# KiCad board oibus-mini-CCC_PANEL.kicad_pcb (continued)
## Placement (name value [footprint] x y rotation side) (continued)
R18#13  4.7k  [R_0603_1608Metric]  54.4 96.41 180 top
R18#14  4.7k  [R_0603_1608Metric]  165.4 96.41 180 top
R18#15  4.7k  [R_0603_1608Metric]  276.4 96.41 180 top
R18#16  4.7k  [R_0603_1608Metric]  239.4 96.41 180 top
R18#17  4.7k  [R_0603_1608Metric]  17.4 162.41 180 top
R18#18  4.7k  [R_0603_1608Metric]  202.4 162.41 180 top
R18#19  4.7k  [R_0603_1608Metric]  91.4 162.41 180 top
R18#20  4.7k  [R_0603_1608Metric]  128.4 162.41 180 top
R18#21  4.7k  [R_0603_1608Metric]  54.4 162.41 180 top
R18#22  4.7k  [R_0603_1608Metric]  165.4 162.41 180 top
R18#23  4.7k  [R_0603_1608Metric]  276.4 162.41 180 top
R18#24  4.7k  [R_0603_1608Metric]  17.4 228.41 180 top
R18#25  4.7k  [R_0603_1608Metric]  239.4 162.41 180 top
R18#26  4.7k  [R_0603_1608Metric]  202.4 228.41 180 top
R18#27  4.7k  [R_0603_1608Metric]  91.4 228.41 180 top
R18#28  4.7k  [R_0603_1608Metric]  128.4 228.41 180 top
R18#29  4.7k  [R_0603_1608Metric]  54.4 228.41 180 top
R18#30  4.7k  [R_0603_1608Metric]  165.4 228.41 180 top
R18#31  4.7k  [R_0603_1608Metric]  276.4 228.41 180 top
R18#32  4.7k  [R_0603_1608Metric]  239.4 228.41 180 top
R19  60R  [R_0603_1608Metric]  32 21.01 270 top
R19#2  60R  [R_0603_1608Metric]  69 21.01 270 top
R19#3  60R  [R_0603_1608Metric]  106 21.01 270 top
R19#4  60R  [R_0603_1608Metric]  143 21.01 270 top
R19#5  60R  [R_0603_1608Metric]  180 21.01 270 top
R19#6  60R  [R_0603_1608Metric]  217 21.01 270 top
R19#7  60R  [R_0603_1608Metric]  291 21.01 270 top
R19#8  60R  [R_0603_1608Metric]  254 21.01 270 top
R19#9  60R  [R_0603_1608Metric]  32 87.01 270 top
R19#10  60R  [R_0603_1608Metric]  217 87.01 270 top
R19#11  60R  [R_0603_1608Metric]  106 87.01 270 top
R19#12  60R  [R_0603_1608Metric]  143 87.01 270 top
R19#13  60R  [R_0603_1608Metric]  69 87.01 270 top
R19#14  60R  [R_0603_1608Metric]  180 87.01 270 top
R19#15  60R  [R_0603_1608Metric]  291 87.01 270 top
R19#16  60R  [R_0603_1608Metric]  254 87.01 270 top
R19#17  60R  [R_0603_1608Metric]  32 153.01 270 top
R19#18  60R  [R_0603_1608Metric]  217 153.01 270 top
R19#19  60R  [R_0603_1608Metric]  106 153.01 270 top
R19#20  60R  [R_0603_1608Metric]  143 153.01 270 top
R19#21  60R  [R_0603_1608Metric]  69 153.01 270 top
R19#22  60R  [R_0603_1608Metric]  180 153.01 270 top
R19#23  60R  [R_0603_1608Metric]  291 153.01 270 top
R19#24  60R  [R_0603_1608Metric]  32 219.01 270 top
R19#25  60R  [R_0603_1608Metric]  254 153.01 270 top
R19#26  60R  [R_0603_1608Metric]  217 219.01 270 top
R19#27  60R  [R_0603_1608Metric]  106 219.01 270 top
R19#28  60R  [R_0603_1608Metric]  143 219.01 270 top
R19#29  60R  [R_0603_1608Metric]  69 219.01 270 top
R19#30  60R  [R_0603_1608Metric]  180 219.01 270 top
R19#31  60R  [R_0603_1608Metric]  291 219.01 270 top
R19#32  60R  [R_0603_1608Metric]  254 219.01 270 top
R20  60R  [R_0603_1608Metric]  30 21.01 90 top
R20#2  60R  [R_0603_1608Metric]  67 21.01 90 top
R20#3  60R  [R_0603_1608Metric]  104 21.01 90 top
R20#4  60R  [R_0603_1608Metric]  141 21.01 90 top
R20#5  60R  [R_0603_1608Metric]  178 21.01 90 top
R20#6  60R  [R_0603_1608Metric]  215 21.01 90 top
R20#7  60R  [R_0603_1608Metric]  289 21.01 90 top
R20#8  60R  [R_0603_1608Metric]  252 21.01 90 top
R20#9  60R  [R_0603_1608Metric]  30 87.01 90 top
R20#10  60R  [R_0603_1608Metric]  215 87.01 90 top
R20#11  60R  [R_0603_1608Metric]  104 87.01 90 top
R20#12  60R  [R_0603_1608Metric]  141 87.01 90 top
R20#13  60R  [R_0603_1608Metric]  67 87.01 90 top
R20#14  60R  [R_0603_1608Metric]  178 87.01 90 top
R20#15  60R  [R_0603_1608Metric]  289 87.01 90 top
R20#16  60R  [R_0603_1608Metric]  252 87.01 90 top
R20#17  60R  [R_0603_1608Metric]  30 153.01 90 top
R20#18  60R  [R_0603_1608Metric]  215 153.01 90 top
R20#19  60R  [R_0603_1608Metric]  104 153.01 90 top
R20#20  60R  [R_0603_1608Metric]  141 153.01 90 top
R20#21  60R  [R_0603_1608Metric]  67 153.01 90 top
R20#22  60R  [R_0603_1608Metric]  178 153.01 90 top
R20#23  60R  [R_0603_1608Metric]  289 153.01 90 top
R20#24  60R  [R_0603_1608Metric]  30 219.01 90 top
R20#25  60R  [R_0603_1608Metric]  252 153.01 90 top
R20#26  60R  [R_0603_1608Metric]  215 219.01 90 top
R20#27  60R  [R_0603_1608Metric]  104 219.01 90 top
R20#28  60R  [R_0603_1608Metric]  141 219.01 90 top
R20#29  60R  [R_0603_1608Metric]  67 219.01 90 top
R20#30  60R  [R_0603_1608Metric]  178 219.01 90 top
R20#31  60R  [R_0603_1608Metric]  289 219.01 90 top
R20#32  60R  [R_0603_1608Metric]  252 219.01 90 top
R21  DNP  [R_0603_1608Metric]  32 7.51 270 top
R21#2  DNP  [R_0603_1608Metric]  69 7.51 270 top
R21#3  DNP  [R_0603_1608Metric]  106 7.51 270 top
R21#4  DNP  [R_0603_1608Metric]  143 7.51 270 top
R21#5  DNP  [R_0603_1608Metric]  180 7.51 270 top
R21#6  DNP  [R_0603_1608Metric]  217 7.51 270 top
R21#7  DNP  [R_0603_1608Metric]  291 7.51 270 top
R21#8  DNP  [R_0603_1608Metric]  254 7.51 270 top
R21#9  DNP  [R_0603_1608Metric]  32 73.51 270 top
R21#10  DNP  [R_0603_1608Metric]  217 73.51 270 top
R21#11  DNP  [R_0603_1608Metric]  106 73.51 270 top
R21#12  DNP  [R_0603_1608Metric]  143 73.51 270 top
R21#13  DNP  [R_0603_1608Metric]  69 73.51 270 top
R21#14  DNP  [R_0603_1608Metric]  180 73.51 270 top
R21#15  DNP  [R_0603_1608Metric]  291 73.51 270 top
R21#16  DNP  [R_0603_1608Metric]  254 73.51 270 top
R21#17  DNP  [R_0603_1608Metric]  32 139.51 270 top
R21#18  DNP  [R_0603_1608Metric]  217 139.51 270 top
R21#19  DNP  [R_0603_1608Metric]  106 139.51 270 top
R21#20  DNP  [R_0603_1608Metric]  143 139.51 270 top
R21#21  DNP  [R_0603_1608Metric]  69 139.51 270 top
R21#22  DNP  [R_0603_1608Metric]  180 139.51 270 top
R21#23  DNP  [R_0603_1608Metric]  32 205.51 270 top
R21#24  DNP  [R_0603_1608Metric]  291 139.51 270 top
R21#25  DNP  [R_0603_1608Metric]  254 139.51 270 top
R21#26  DNP  [R_0603_1608Metric]  217 205.51 270 top
R21#27  DNP  [R_0603_1608Metric]  106 205.51 270 top
R21#28  DNP  [R_0603_1608Metric]  143 205.51 270 top
R21#29  DNP  [R_0603_1608Metric]  69 205.51 270 top
R21#30  DNP  [R_0603_1608Metric]  180 205.51 270 top
R21#31  DNP  [R_0603_1608Metric]  291 205.51 270 top
R21#32  DNP  [R_0603_1608Metric]  254 205.51 270 top
R22  0R  [R_0603_1608Metric]  16.3 50.91 0 top
R22#2  0R  [R_0603_1608Metric]  53.3 50.91 0 top
R22#3  0R  [R_0603_1608Metric]  90.3 50.91 0 top
R22#4  0R  [R_0603_1608Metric]  127.3 50.91 0 top
R22#5  0R  [R_0603_1608Metric]  164.3 50.91 0 top
R22#6  0R  [R_0603_1608Metric]  201.3 50.91 0 top
R22#7  0R  [R_0603_1608Metric]  275.3 50.91 0 top
R22#8  0R  [R_0603_1608Metric]  238.3 50.91 0 top
R22#9  0R  [R_0603_1608Metric]  16.3 116.91 0 top
R22#10  0R  [R_0603_1608Metric]  201.3 116.91 0 top
R22#11  0R  [R_0603_1608Metric]  90.3 116.91 0 top
R22#12  0R  [R_0603_1608Metric]  127.3 116.91 0 top
R22#13  0R  [R_0603_1608Metric]  53.3 116.91 0 top
R22#14  0R  [R_0603_1608Metric]  164.3 116.91 0 top
R22#15  0R  [R_0603_1608Metric]  275.3 116.91 0 top
R22#16  0R  [R_0603_1608Metric]  238.3 116.91 0 top
R22#17  0R  [R_0603_1608Metric]  16.3 182.91 0 top
R22#18  0R  [R_0603_1608Metric]  201.3 182.91 0 top
R22#19  0R  [R_0603_1608Metric]  90.3 182.91 0 top
R22#20  0R  [R_0603_1608Metric]  127.3 182.91 0 top
R22#21  0R  [R_0603_1608Metric]  53.3 182.91 0 top
R22#22  0R  [R_0603_1608Metric]  164.3 182.91 0 top
R22#23  0R  [R_0603_1608Metric]  16.3 248.91 0 top
R22#24  0R  [R_0603_1608Metric]  275.3 182.91 0 top
R22#25  0R  [R_0603_1608Metric]  238.3 182.91 0 top
R22#26  0R  [R_0603_1608Metric]  201.3 248.91 0 top
R22#27  0R  [R_0603_1608Metric]  90.3 248.91 0 top
R22#28  0R  [R_0603_1608Metric]  127.3 248.91 0 top
R22#29  0R  [R_0603_1608Metric]  53.3 248.91 0 top
R22#30  0R  [R_0603_1608Metric]  164.3 248.91 0 top
R22#31  0R  [R_0603_1608Metric]  275.3 248.91 0 top
R22#32  0R  [R_0603_1608Metric]  238.3 248.91 0 top
R23  DNP  [R_0603_1608Metric]  16.3 49.31 180 top
R23#2  DNP  [R_0603_1608Metric]  53.3 49.31 180 top
R23#3  DNP  [R_0603_1608Metric]  90.3 49.31 180 top
R23#4  DNP  [R_0603_1608Metric]  127.3 49.31 180 top
R23#5  DNP  [R_0603_1608Metric]  164.3 49.31 180 top
R23#6  DNP  [R_0603_1608Metric]  201.3 49.31 180 top
R23#7  DNP  [R_0603_1608Metric]  275.3 49.31 180 top
R23#8  DNP  [R_0603_1608Metric]  238.3 49.31 180 top
R23#9  DNP  [R_0603_1608Metric]  16.3 115.31 180 top
R23#10  DNP  [R_0603_1608Metric]  201.3 115.31 180 top
R23#11  DNP  [R_0603_1608Metric]  90.3 115.31 180 top
R23#12  DNP  [R_0603_1608Metric]  127.3 115.31 180 top
R23#13  DNP  [R_0603_1608Metric]  53.3 115.31 180 top
R23#14  DNP  [R_0603_1608Metric]  164.3 115.31 180 top
R23#15  DNP  [R_0603_1608Metric]  275.3 115.31 180 top
R23#16  DNP  [R_0603_1608Metric]  238.3 115.31 180 top
R23#17  DNP  [R_0603_1608Metric]  16.3 181.31 180 top
R23#18  DNP  [R_0603_1608Metric]  201.3 181.31 180 top
R23#19  DNP  [R_0603_1608Metric]  90.3 181.31 180 top
R23#20  DNP  [R_0603_1608Metric]  127.3 181.31 180 top
R23#21  DNP  [R_0603_1608Metric]  53.3 181.31 180 top
R23#22  DNP  [R_0603_1608Metric]  164.3 181.31 180 top
R23#23  DNP  [R_0603_1608Metric]  16.3 247.31 180 top
R23#24  DNP  [R_0603_1608Metric]  275.3 181.31 180 top
R23#25  DNP  [R_0603_1608Metric]  238.3 181.31 180 top
R23#26  DNP  [R_0603_1608Metric]  201.3 247.31 180 top
R23#27  DNP  [R_0603_1608Metric]  90.3 247.31 180 top
R23#28  DNP  [R_0603_1608Metric]  127.3 247.31 180 top
R23#29  DNP  [R_0603_1608Metric]  53.3 247.31 180 top
R23#30  DNP  [R_0603_1608Metric]  164.3 247.31 180 top
R23#31  DNP  [R_0603_1608Metric]  275.3 247.31 180 top
R23#32  DNP  [R_0603_1608Metric]  238.3 247.31 180 top
R24  DNP  [R_0603_1608Metric]  10.4 58.11 270 bottom
R24#2  DNP  [R_0603_1608Metric]  47.4 58.11 270 bottom
R24#3  DNP  [R_0603_1608Metric]  84.4 58.11 270 bottom
R24#4  DNP  [R_0603_1608Metric]  121.4 58.11 270 bottom
R24#5  DNP  [R_0603_1608Metric]  158.4 58.11 270 bottom
R24#6  DNP  [R_0603_1608Metric]  195.4 58.11 270 bottom
R24#7  DNP  [R_0603_1608Metric]  269.4 58.11 270 bottom
R24#8  DNP  [R_0603_1608Metric]  232.4 58.11 270 bottom
R24#9  DNP  [R_0603_1608Metric]  10.4 124.11 270 bottom
R24#10  DNP  [R_0603_1608Metric]  195.4 124.11 270 bottom
R24#11  DNP  [R_0603_1608Metric]  84.4 124.11 270 bottom
R24#12  DNP  [R_0603_1608Metric]  121.4 124.11 270 bottom
R24#13  DNP  [R_0603_1608Metric]  47.4 124.11 270 bottom
R24#14  DNP  [R_0603_1608Metric]  158.4 124.11 270 bottom
R24#15  DNP  [R_0603_1608Metric]  269.4 124.11 270 bottom
R24#16  DNP  [R_0603_1608Metric]  232.4 124.11 270 bottom
R24#17  DNP  [R_0603_1608Metric]  10.4 190.11 270 bottom
R24#18  DNP  [R_0603_1608Metric]  195.4 190.11 270 bottom
R24#19  DNP  [R_0603_1608Metric]  84.4 190.11 270 bottom
R24#20  DNP  [R_0603_1608Metric]  121.4 190.11 270 bottom
R24#21  DNP  [R_0603_1608Metric]  47.4 190.11 270 bottom
R24#22  DNP  [R_0603_1608Metric]  158.4 190.11 270 bottom
R24#23  DNP  [R_0603_1608Metric]  10.4 256.11 270 bottom
R24#24  DNP  [R_0603_1608Metric]  269.4 190.11 270 bottom
R24#25  DNP  [R_0603_1608Metric]  232.4 190.11 270 bottom
R24#26  DNP  [R_0603_1608Metric]  195.4 256.11 270 bottom
R24#27  DNP  [R_0603_1608Metric]  84.4 256.11 270 bottom
R24#28  DNP  [R_0603_1608Metric]  121.4 256.11 270 bottom
R24#29  DNP  [R_0603_1608Metric]  47.4 256.11 270 bottom
R24#30  DNP  [R_0603_1608Metric]  158.4 256.11 270 bottom
R24#31  DNP  [R_0603_1608Metric]  269.4 256.11 270 bottom
R24#32  DNP  [R_0603_1608Metric]  232.4 256.11 270 bottom
R25  DNP  [R_0603_1608Metric]  12 58.11 270 bottom
R25#2  DNP  [R_0603_1608Metric]  49 58.11 270 bottom
R25#3  DNP  [R_0603_1608Metric]  86 58.11 270 bottom
R25#4  DNP  [R_0603_1608Metric]  123 58.11 270 bottom
R25#5  DNP  [R_0603_1608Metric]  160 58.11 270 bottom
R25#6  DNP  [R_0603_1608Metric]  197 58.11 270 bottom
R25#7  DNP  [R_0603_1608Metric]  271 58.11 270 bottom
R25#8  DNP  [R_0603_1608Metric]  234 58.11 270 bottom
R25#9  DNP  [R_0603_1608Metric]  12 124.11 270 bottom
R25#10  DNP  [R_0603_1608Metric]  197 124.11 270 bottom
R25#11  DNP  [R_0603_1608Metric]  86 124.11 270 bottom
R25#12  DNP  [R_0603_1608Metric]  123 124.11 270 bottom
R25#13  DNP  [R_0603_1608Metric]  49 124.11 270 bottom
R25#14  DNP  [R_0603_1608Metric]  160 124.11 270 bottom
R25#15  DNP  [R_0603_1608Metric]  271 124.11 270 bottom
R25#16  DNP  [R_0603_1608Metric]  234 124.11 270 bottom
R25#17  DNP  [R_0603_1608Metric]  12 190.11 270 bottom
R25#18  DNP  [R_0603_1608Metric]  197 190.11 270 bottom
R25#19  DNP  [R_0603_1608Metric]  86 190.11 270 bottom
R25#20  DNP  [R_0603_1608Metric]  123 190.11 270 bottom
R25#21  DNP  [R_0603_1608Metric]  49 190.11 270 bottom
R25#22  DNP  [R_0603_1608Metric]  160 190.11 270 bottom
R25#23  DNP  [R_0603_1608Metric]  12 256.11 270 bottom
R25#24  DNP  [R_0603_1608Metric]  271 190.11 270 bottom
R25#25  DNP  [R_0603_1608Metric]  234 190.11 270 bottom
R25#26  DNP  [R_0603_1608Metric]  197 256.11 270 bottom
R25#27  DNP  [R_0603_1608Metric]  86 256.11 270 bottom
R25#28  DNP  [R_0603_1608Metric]  123 256.11 270 bottom
R25#29  DNP  [R_0603_1608Metric]  49 256.11 270 bottom
R25#30  DNP  [R_0603_1608Metric]  160 256.11 270 bottom
R25#31  DNP  [R_0603_1608Metric]  271 256.11 270 bottom
R25#32  DNP  [R_0603_1608Metric]  234 256.11 270 bottom
REF**  -  [OSHW-Logo2_7.3x6mm_SilkScreen]  11.7 27.31 0 top
REF**#2  -  [OSHW-Logo2_7.3x6mm_SilkScreen]  48.7 27.31 0 top
REF**#3  -  [OSHW-Logo2_7.3x6mm_SilkScreen]  85.7 27.31 0 top
REF**#4  -  [OSHW-Logo2_7.3x6mm_SilkScreen]  122.7 27.31 0 top
REF**#5  -  [OSHW-Logo2_7.3x6mm_SilkScreen]  159.7 27.31 0 top
REF**#6  -  [OSHW-Logo2_7.3x6mm_SilkScreen]  196.7 27.31 0 top
REF**#7  -  [OSHW-Logo2_7.3x6mm_SilkScreen]  270.7 27.31 0 top
REF**#8  -  [OSHW-Logo2_7.3x6mm_SilkScreen]  233.7 27.31 0 top
REF**#9  -  [OSHW-Logo2_7.3x6mm_SilkScreen]  11.7 93.31 0 top
REF**#10  -  [OSHW-Logo2_7.3x6mm_SilkScreen]  196.7 93.31 0 top
REF**#11  -  [OSHW-Logo2_7.3x6mm_SilkScreen]  85.7 93.31 0 top
REF**#12  -  [OSHW-Logo2_7.3x6mm_SilkScreen]  122.7 93.31 0 top
REF**#13  -  [OSHW-Logo2_7.3x6mm_SilkScreen]  48.7 93.31 0 top
REF**#14  -  [OSHW-Logo2_7.3x6mm_SilkScreen]  159.7 93.31 0 top
REF**#15  -  [OSHW-Logo2_7.3x6mm_SilkScreen]  270.7 93.31 0 top
REF**#16  -  [OSHW-Logo2_7.3x6mm_SilkScreen]  233.7 93.31 0 top
REF**#17  -  [OSHW-Logo2_7.3x6mm_SilkScreen]  11.7 159.31 0 top
REF**#18  -  [OSHW-Logo2_7.3x6mm_SilkScreen]  196.7 159.31 0 top
REF**#19  -  [OSHW-Logo2_7.3x6mm_SilkScreen]  85.7 159.31 0 top
REF**#20  -  [OSHW-Logo2_7.3x6mm_SilkScreen]  122.7 159.31 0 top
REF**#21  -  [OSHW-Logo2_7.3x6mm_SilkScreen]  48.7 159.31 0 top
REF**#22  -  [OSHW-Logo2_7.3x6mm_SilkScreen]  159.7 159.31 0 top
REF**#23  -  [OSHW-Logo2_7.3x6mm_SilkScreen]  270.7 159.31 0 top
REF**#24  -  [OSHW-Logo2_7.3x6mm_SilkScreen]  11.7 225.31 0 top
REF**#25  -  [OSHW-Logo2_7.3x6mm_SilkScreen]  233.7 159.31 0 top
REF**#26  -  [OSHW-Logo2_7.3x6mm_SilkScreen]  196.7 225.31 0 top
REF**#27  -  [OSHW-Logo2_7.3x6mm_SilkScreen]  85.7 225.31 0 top
REF**#28  -  [OSHW-Logo2_7.3x6mm_SilkScreen]  122.7 225.31 0 top
REF**#29  -  [OSHW-Logo2_7.3x6mm_SilkScreen]  48.7 225.31 0 top
REF**#30  -  [OSHW-Logo2_7.3x6mm_SilkScreen]  159.7 225.31 0 top
REF**#31  -  [OSHW-Logo2_7.3x6mm_SilkScreen]  270.7 225.31 0 top
REF**#32  -  [OSHW-Logo2_7.3x6mm_SilkScreen]  233.7 225.31 0 top
SW1  SW_Push  [SW_SPST_B3U-1000P]  10.2 20.81 270 top
SW1#2  SW_Push  [SW_SPST_B3U-1000P]  47.2 20.81 270 top
SW1#3  SW_Push  [SW_SPST_B3U-1000P]  84.2 20.81 270 top
SW1#4  SW_Push  [SW_SPST_B3U-1000P]  121.2 20.81 270 top
SW1#5  SW_Push  [SW_SPST_B3U-1000P]  158.2 20.81 270 top
SW1#6  SW_Push  [SW_SPST_B3U-1000P]  195.2 20.81 270 top
SW1#7  SW_Push  [SW_SPST_B3U-1000P]  269.2 20.81 270 top
SW1#8  SW_Push  [SW_SPST_B3U-1000P]  232.2 20.81 270 top
SW1#9  SW_Push  [SW_SPST_B3U-1000P]  10.2 86.81 270 top
SW1#10  SW_Push  [SW_SPST_B3U-1000P]  195.2 86.81 270 top
SW1#11  SW_Push  [SW_SPST_B3U-1000P]  84.2 86.81 270 top
SW1#12  SW_Push  [SW_SPST_B3U-1000P]  121.2 86.81 270 top
SW1#13  SW_Push  [SW_SPST_B3U-1000P]  47.2 86.81 270 top
SW1#14  SW_Push  [SW_SPST_B3U-1000P]  158.2 86.81 270 top
SW1#15  SW_Push  [SW_SPST_B3U-1000P]  269.2 86.81 270 top
SW1#16  SW_Push  [SW_SPST_B3U-1000P]  232.2 86.81 270 top
SW1#17  SW_Push  [SW_SPST_B3U-1000P]  10.2 152.81 270 top
SW1#18  SW_Push  [SW_SPST_B3U-1000P]  195.2 152.81 270 top
SW1#19  SW_Push  [SW_SPST_B3U-1000P]  84.2 152.81 270 top
SW1#20  SW_Push  [SW_SPST_B3U-1000P]  121.2 152.81 270 top
SW1#21  SW_Push  [SW_SPST_B3U-1000P]  47.2 152.81 270 top
SW1#22  SW_Push  [SW_SPST_B3U-1000P]  158.2 152.81 270 top
SW1#23  SW_Push  [SW_SPST_B3U-1000P]  10.2 218.81 270 top
SW1#24  SW_Push  [SW_SPST_B3U-1000P]  269.2 152.81 270 top
SW1#25  SW_Push  [SW_SPST_B3U-1000P]  232.2 152.81 270 top
SW1#26  SW_Push  [SW_SPST_B3U-1000P]  195.2 218.81 270 top
SW1#27  SW_Push  [SW_SPST_B3U-1000P]  84.2 218.81 270 top
SW1#28  SW_Push  [SW_SPST_B3U-1000P]  121.2 218.81 270 top
SW1#29  SW_Push  [SW_SPST_B3U-1000P]  47.2 218.81 270 top
SW1#30  SW_Push  [SW_SPST_B3U-1000P]  158.2 218.81 270 top
SW1#31  SW_Push  [SW_SPST_B3U-1000P]  269.2 218.81 270 top
SW1#32  SW_Push  [SW_SPST_B3U-1000P]  232.2 218.81 270 top
SW2  SW_Push  [SW_SPST_EVQP7C]  1.8 30.01 270 top
SW2#2  SW_Push  [SW_SPST_EVQP7C]  38.8 30.01 270 top
SW2#3  SW_Push  [SW_SPST_EVQP7C]  75.8 30.01 270 top
SW2#4  SW_Push  [SW_SPST_EVQP7C]  112.8 30.01 270 top
SW2#5  SW_Push  [SW_SPST_EVQP7C]  149.8 30.01 270 top
SW2#6  SW_Push  [SW_SPST_EVQP7C]  186.8 30.01 270 top
SW2#7  SW_Push  [SW_SPST_EVQP7C]  260.8 30.01 270 top
SW2#8  SW_Push  [SW_SPST_EVQP7C]  223.8 30.01 270 top
SW2#9  SW_Push  [SW_SPST_EVQP7C]  1.8 96.01 270 top
SW2#10  SW_Push  [SW_SPST_EVQP7C]  186.8 96.01 270 top
SW2#11  SW_Push  [SW_SPST_EVQP7C]  75.8 96.01 270 top
SW2#12  SW_Push  [SW_SPST_EVQP7C]  112.8 96.01 270 top
SW2#13  SW_Push  [SW_SPST_EVQP7C]  38.8 96.01 270 top
SW2#14  SW_Push  [SW_SPST_EVQP7C]  149.8 96.01 270 top
SW2#15  SW_Push  [SW_SPST_EVQP7C]  260.8 96.01 270 top
SW2#16  SW_Push  [SW_SPST_EVQP7C]  223.8 96.01 270 top
SW2#17  SW_Push  [SW_SPST_EVQP7C]  1.8 162.01 270 top
SW2#18  SW_Push  [SW_SPST_EVQP7C]  186.8 162.01 270 top
SW2#19  SW_Push  [SW_SPST_EVQP7C]  75.8 162.01 270 top
SW2#20  SW_Push  [SW_SPST_EVQP7C]  112.8 162.01 270 top
SW2#21  SW_Push  [SW_SPST_EVQP7C]  38.8 162.01 270 top
SW2#22  SW_Push  [SW_SPST_EVQP7C]  149.8 162.01 270 top
SW2#23  SW_Push  [SW_SPST_EVQP7C]  260.8 162.01 270 top
SW2#24  SW_Push  [SW_SPST_EVQP7C]  223.8 162.01 270 top
SW2#25  SW_Push  [SW_SPST_EVQP7C]  1.8 228.01 270 top
SW2#26  SW_Push  [SW_SPST_EVQP7C]  186.8 228.01 270 top
SW2#27  SW_Push  [SW_SPST_EVQP7C]  75.8 228.01 270 top
SW2#28  SW_Push  [SW_SPST_EVQP7C]  112.8 228.01 270 top
SW2#29  SW_Push  [SW_SPST_EVQP7C]  38.8 228.01 270 top
SW2#30  SW_Push  [SW_SPST_EVQP7C]  149.8 228.01 270 top
SW2#31  SW_Push  [SW_SPST_EVQP7C]  260.8 228.01 270 top
SW2#32  SW_Push  [SW_SPST_EVQP7C]  223.8 228.01 270 top
U1  AP2112K-3.3  [SOT-23-5]  26.83 19.18 90 top
U1#2  AP2112K-3.3  [SOT-23-5]  63.83 19.18 90 top
U1#3  AP2112K-3.3  [SOT-23-5]  100.83 19.18 90 top
U1#4  AP2112K-3.3  [SOT-23-5]  137.83 19.18 90 top
U1#5  AP2112K-3.3  [SOT-23-5]  174.83 19.18 90 top
U1#6  AP2112K-3.3  [SOT-23-5]  211.83 19.18 90 top
U1#7  AP2112K-3.3  [SOT-23-5]  285.83 19.18 90 top
U1#8  AP2112K-3.3  [SOT-23-5]  248.83 19.18 90 top
U1#9  AP2112K-3.3  [SOT-23-5]  26.83 85.18 90 top
U1#10  AP2112K-3.3  [SOT-23-5]  211.83 85.18 90 top
U1#11  AP2112K-3.3  [SOT-23-5]  100.83 85.18 90 top
U1#12  AP2112K-3.3  [SOT-23-5]  137.83 85.18 90 top
U1#13  AP2112K-3.3  [SOT-23-5]  63.83 85.18 90 top
U1#14  AP2112K-3.3  [SOT-23-5]  174.83 85.18 90 top
U1#15  AP2112K-3.3  [SOT-23-5]  285.83 85.18 90 top
U1#16  AP2112K-3.3  [SOT-23-5]  248.83 85.18 90 top
U1#17  AP2112K-3.3  [SOT-23-5]  26.83 151.18 90 top
U1#18  AP2112K-3.3  [SOT-23-5]  211.83 151.18 90 top
U1#19  AP2112K-3.3  [SOT-23-5]  100.83 151.18 90 top
U1#20  AP2112K-3.3  [SOT-23-5]  137.83 151.18 90 top
U1#21  AP2112K-3.3  [SOT-23-5]  63.83 151.18 90 top
U1#22  AP2112K-3.3  [SOT-23-5]  174.83 151.18 90 top
U1#23  AP2112K-3.3  [SOT-23-5]  285.83 151.18 90 top
U1#24  AP2112K-3.3  [SOT-23-5]  26.83 217.18 90 top
U1#25  AP2112K-3.3  [SOT-23-5]  248.83 151.18 90 top
U1#26  AP2112K-3.3  [SOT-23-5]  211.83 217.18 90 top
U1#27  AP2112K-3.3  [SOT-23-5]  100.83 217.18 90 top
U1#28  AP2112K-3.3  [SOT-23-5]  137.83 217.18 90 top
U1#29  AP2112K-3.3  [SOT-23-5]  63.83 217.18 90 top
U1#30  AP2112K-3.3  [SOT-23-5]  174.83 217.18 90 top
U1#31  AP2112K-3.3  [SOT-23-5]  285.83 217.18 90 top
U1#32  AP2112K-3.3  [SOT-23-5]  248.83 217.18 90 top
U2  SAM-M8Q  [XCVR_SAM-M8Q]  7.8 40.71 270 top
U2#2  SAM-M8Q  [XCVR_SAM-M8Q]  44.8 40.71 270 top
U2#3  SAM-M8Q  [XCVR_SAM-M8Q]  81.8 40.71 270 top
U2#4  SAM-M8Q  [XCVR_SAM-M8Q]  118.8 40.71 270 top
U2#5  SAM-M8Q  [XCVR_SAM-M8Q]  192.8 40.71 270 top
U2#6  SAM-M8Q  [XCVR_SAM-M8Q]  155.8 40.71 270 top
U2#7  SAM-M8Q  [XCVR_SAM-M8Q]  229.8 40.71 270 top
U2#8  SAM-M8Q  [XCVR_SAM-M8Q]  266.8 40.71 270 top
U2#9  SAM-M8Q  [XCVR_SAM-M8Q]  7.8 106.71 270 top
U2#10  SAM-M8Q  [XCVR_SAM-M8Q]  155.8 106.71 270 top
U2#11  SAM-M8Q  [XCVR_SAM-M8Q]  118.8 106.71 270 top
U2#12  SAM-M8Q  [XCVR_SAM-M8Q]  44.8 106.71 270 top
U2#13  SAM-M8Q  [XCVR_SAM-M8Q]  81.8 106.71 270 top
U2#14  SAM-M8Q  [XCVR_SAM-M8Q]  192.8 106.71 270 top
U2#15  SAM-M8Q  [XCVR_SAM-M8Q]  229.8 106.71 270 top
U2#16  SAM-M8Q  [XCVR_SAM-M8Q]  266.8 106.71 270 top
U2#17  SAM-M8Q  [XCVR_SAM-M8Q]  7.8 172.71 270 top
U2#18  SAM-M8Q  [XCVR_SAM-M8Q]  155.8 172.71 270 top
U2#19  SAM-M8Q  [XCVR_SAM-M8Q]  118.8 172.71 270 top
U2#20  SAM-M8Q  [XCVR_SAM-M8Q]  44.8 172.71 270 top
U2#21  SAM-M8Q  [XCVR_SAM-M8Q]  81.8 172.71 270 top
U2#22  SAM-M8Q  [XCVR_SAM-M8Q]  192.8 172.71 270 top
U2#23  SAM-M8Q  [XCVR_SAM-M8Q]  7.8 238.71 270 top
U2#24  SAM-M8Q  [XCVR_SAM-M8Q]  229.8 172.71 270 top
U2#25  SAM-M8Q  [XCVR_SAM-M8Q]  266.8 172.71 270 top
U2#26  SAM-M8Q  [XCVR_SAM-M8Q]  155.8 238.71 270 top
U2#27  SAM-M8Q  [XCVR_SAM-M8Q]  118.8 238.71 270 top
U2#28  SAM-M8Q  [XCVR_SAM-M8Q]  44.8 238.71 270 top
U2#29  SAM-M8Q  [XCVR_SAM-M8Q]  81.8 238.71 270 top
U2#30  SAM-M8Q  [XCVR_SAM-M8Q]  192.8 238.71 270 top
U2#31  SAM-M8Q  [XCVR_SAM-M8Q]  229.8 238.71 270 top
U2#32  SAM-M8Q  [XCVR_SAM-M8Q]  266.8 238.71 270 top
U3  NINA-B311-00B  [XCVR_NINA-B312-00B]  28 54.01 180 top
U3#2  NINA-B311-00B  [XCVR_NINA-B312-00B]  65 54.01 180 top
U3#3  NINA-B311-00B  [XCVR_NINA-B312-00B]  102 54.01 180 top
U3#4  NINA-B311-00B  [XCVR_NINA-B312-00B]  139 54.01 180 top
U3#5  NINA-B311-00B  [XCVR_NINA-B312-00B]  213 54.01 180 top
U3#6  NINA-B311-00B  [XCVR_NINA-B312-00B]  176 54.01 180 top
U3#7  NINA-B311-00B  [XCVR_NINA-B312-00B]  287 54.01 180 top
U3#8  NINA-B311-00B  [XCVR_NINA-B312-00B]  250 54.01 180 top
U3#9  NINA-B311-00B  [XCVR_NINA-B312-00B]  28 120.01 180 top
U3#10  NINA-B311-00B  [XCVR_NINA-B312-00B]  139 120.01 180 top
U3#11  NINA-B311-00B  [XCVR_NINA-B312-00B]  102 120.01 180 top
U3#12  NINA-B311-00B  [XCVR_NINA-B312-00B]  65 120.01 180 top
U3#13  NINA-B311-00B  [XCVR_NINA-B312-00B]  213 120.01 180 top
U3#14  NINA-B311-00B  [XCVR_NINA-B312-00B]  176 120.01 180 top
U3#15  NINA-B311-00B  [XCVR_NINA-B312-00B]  287 120.01 180 top
U3#16  NINA-B311-00B  [XCVR_NINA-B312-00B]  250 120.01 180 top
U3#17  NINA-B311-00B  [XCVR_NINA-B312-00B]  28 186.01 180 top
U3#18  NINA-B311-00B  [XCVR_NINA-B312-00B]  139 186.01 180 top
U3#19  NINA-B311-00B  [XCVR_NINA-B312-00B]  102 186.01 180 top
U3#20  NINA-B311-00B  [XCVR_NINA-B312-00B]  65 186.01 180 top
U3#21  NINA-B311-00B  [XCVR_NINA-B312-00B]  213 186.01 180 top
U3#22  NINA-B311-00B  [XCVR_NINA-B312-00B]  176 186.01 180 top
U3#23  NINA-B311-00B  [XCVR_NINA-B312-00B]  28 252.01 180 top
U3#24  NINA-B311-00B  [XCVR_NINA-B312-00B]  287 186.01 180 top
U3#25  NINA-B311-00B  [XCVR_NINA-B312-00B]  250 186.01 180 top
U3#26  NINA-B311-00B  [XCVR_NINA-B312-00B]  139 252.01 180 top
U3#27  NINA-B311-00B  [XCVR_NINA-B312-00B]  102 252.01 180 top
U3#28  NINA-B311-00B  [XCVR_NINA-B312-00B]  65 252.01 180 top
U3#29  NINA-B311-00B  [XCVR_NINA-B312-00B]  213 252.01 180 top
U3#30  NINA-B311-00B  [XCVR_NINA-B312-00B]  176 252.01 180 top
U3#31  NINA-B311-00B  [XCVR_NINA-B312-00B]  287 252.01 180 top
U3#32  NINA-B311-00B  [XCVR_NINA-B312-00B]  250 252.01 180 top
U4  MCP73831-2-OT  [SOT-23-5]  17.75 6.76 180 top
U4#2  MCP73831-2-OT  [SOT-23-5]  54.75 6.76 180 top
U4#3  MCP73831-2-OT  [SOT-23-5]  91.75 6.76 180 top
U4#4  MCP73831-2-OT  [SOT-23-5]  128.75 6.76 180 top
U4#5  MCP73831-2-OT  [SOT-23-5]  165.75 6.76 180 top
U4#6  MCP73831-2-OT  [SOT-23-5]  202.75 6.76 180 top
U4#7  MCP73831-2-OT  [SOT-23-5]  276.75 6.76 180 top
U4#8  MCP73831-2-OT  [SOT-23-5]  239.75 6.76 180 top
U4#9  MCP73831-2-OT  [SOT-23-5]  17.75 72.76 180 top
U4#10  MCP73831-2-OT  [SOT-23-5]  202.75 72.76 180 top
U4#11  MCP73831-2-OT  [SOT-23-5]  91.75 72.76 180 top
U4#12  MCP73831-2-OT  [SOT-23-5]  128.75 72.76 180 top
U4#13  MCP73831-2-OT  [SOT-23-5]  54.75 72.76 180 top
U4#14  MCP73831-2-OT  [SOT-23-5]  165.75 72.76 180 top
U4#15  MCP73831-2-OT  [SOT-23-5]  276.75 72.76 180 top
U4#16  MCP73831-2-OT  [SOT-23-5]  239.75 72.76 180 top
U4#17  MCP73831-2-OT  [SOT-23-5]  17.75 138.76 180 top
U4#18  MCP73831-2-OT  [SOT-23-5]  202.75 138.76 180 top
U4#19  MCP73831-2-OT  [SOT-23-5]  91.75 138.76 180 top
